# Altium PCB FSAES-22-E17 Temp Module PCB.PcbDoc (part 3 of 3)
Units mil, origin at the board's own origin, x right, y up, seen from the top; angles counter-clockwise.
Board outline 6776.17 x 2481.98 mil, 4 copper layers (Top Layer, Int 1 (GND), Int 2 (PWR), Bottom Layer), stack 53.912 mil thick; 312 components, 228 nets, 920 pads, 762 vias.
Unrouted connection lines stored in the file: 4.
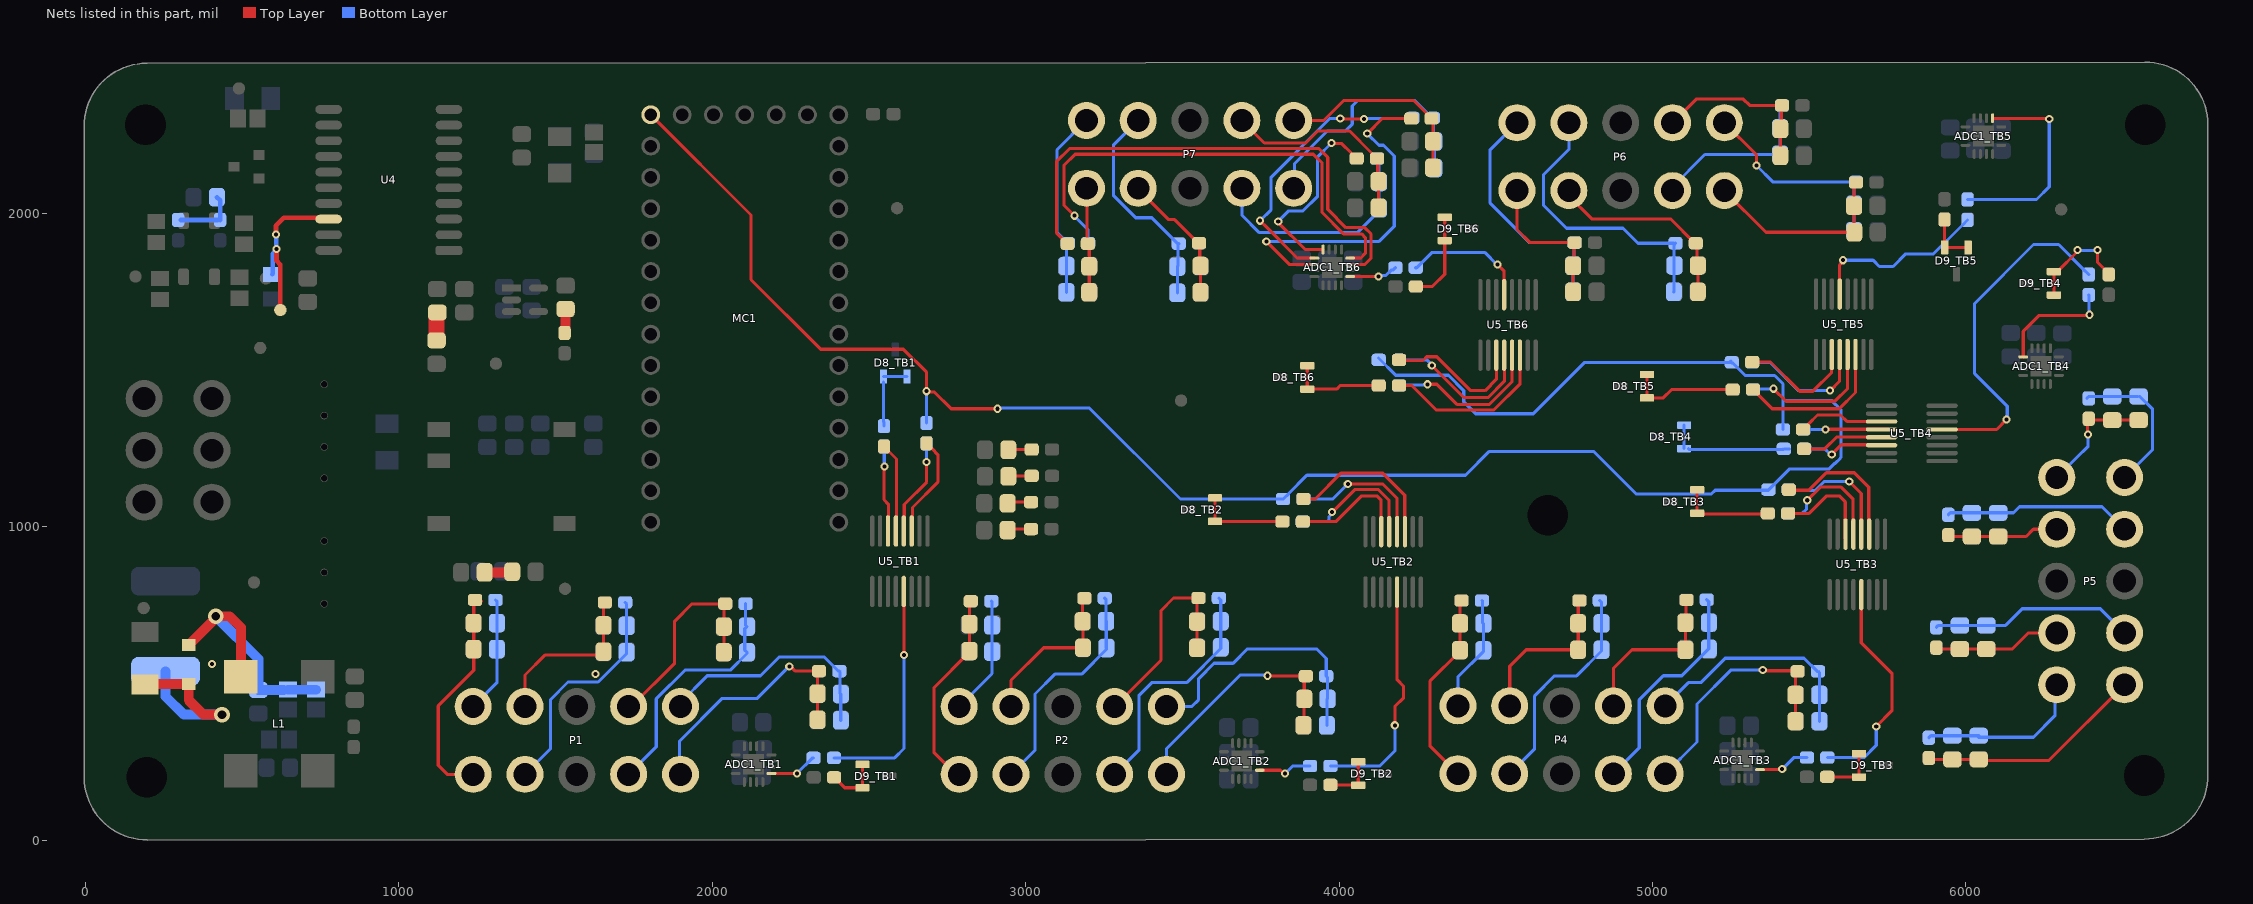
[diagram p5: the nets of this part, all layers, seen from the top]

## Via types
v1: diameter 25.98, hole 12.99, Top Layer to Bottom Layer, tented both sides, 756 vias
v2: diameter 50, hole 28, Top Layer to Bottom Layer, tented both sides, 6 vias

## Nets (pads, with @x,y where several pads share a name; then routed paths per layer and width w, separated by ;. In a path a pad name is that pad's centre, name@x,y a point inside that pad or via, vN(x,y) a via of type N, cw(c..) or ccw(c..) an arc to the next point about the centre after c; other vN are vias at no path point) (continued)
NetADC1_TB6_4: ADC1_TB6.4 R28_TB6.1 | length 630.8
  Top Layer w10: v1(3806,1974) 3806,1970 3891.99,1884.01 ADC1_TB6.4@3948.87,1884.01 ; v1(3976,2224) 3978.09,2221.91 4008.99,2221.91 4038.8,2192.11 4038.8,2191.78 4056.1,2174.47 R28_TB6.1@4056.43,2174.47
  Bottom Layer w10: v1(3806,1974) 3839.54,2007.54 3885.15,2007.54 3931.57,2053.96 3931.57,2179.57 v1(3976,2224)
NetADC1_TB6_5: ADC1_TB6.5 R34_TB6.1 | length 907.5
  Top Layer w10: v1(3748,1976) 3772,1952 3867.55,1856.46 ADC1_TB6.5@3921.31,1856.46 ; v1(4004,2302) 4005,2301 4079,2301 v1(4080,2300)
  Bottom Layer w10: v1(3748,1976) 3783.43,2011.43 3783.43,2114.88 3970.54,2302 v1(4004,2302) ; v1(4080,2300) 4082,2302 4232.58,2302 R34_TB6.1@4234.58,2304
NetADC1_TB6_6: ADC1_TB6.6 R36_TB6.1 | length 1111.9
  Top Layer w10: v1(3768,1910) 3841.23,1836.77 ADC1_TB6.6@3921.31,1836.77 ; v1(4090,2254) 4138,2302 R36_TB6.1@4230.46,2302
  Bottom Layer w10: v1(3768,1910) 4128,1910 4176,1958 4176,2182.39 4141.72,2216.66 4127.34,2216.66 v1(4090,2254)
NetADC1_TB6_15: ADC1_TB6.15 R14_TB6.1 | length 1660.2
  Top Layer w10: R14_TB6.1@3133.56,1902.47 3133.23,1902.47 3118.91,1916.79 3118.91,1917.12 3098,1938.04 3098,2164 3140,2206 3936,2206 3964,2178 3964,2012 4022,1954 4082,1954 4102,1934 4102,1856 4082.77,1836.77 ADC1_TB6.15@4035.49,1836.77
NetADC1_TB6_16: ADC1_TB6.16 R16_TB6.1 | length 1564.2
  Top Layer w10: v1(3156,1992) 3122.01,2025.99 3122.01,2152.01 3158,2188 3918,2188 3946,2160 3946,2002 4014,1934 4072,1934 4084,1922 4084,1872 4068.46,1856.46 ADC1_TB6.16@4035.49,1856.46
  Bottom Layer w10: v1(3156,1992) 3156,1990 3199.57,1946.43 R16_TB6.1@3199.57,1904.47
NetC6_1: C6.1 C11.2 C12.2 D1.K L1.1 | length 842.4
  Top Layer w31.5: D1.K@330,622.01 332.95,622.01 335.91,624.96 335.91,627.91 412.46,704.47 412.46,710.46 v2(416,714) 460,714 496.12,677.88 L1.1@496.12,521
  Bottom Layer w31.5: v2(416,714) 552.03,577.97 C6.1@552.03,478.87 C12.2@631.67,478.87 ; C12.2@646,479.5 C11.2@736,479.5
  other v1: 404,562
NetC22_1: C22.1 R5.1 R7.2 | length 194.7
  Bottom Layer w15: R7.2@304,1978.48 R5.1@422,1978.48 ; C22.1@419.87,2050.97 430,2040.84 R5.1@430,1978.48
NetD1_A: D1.A D2.2 F1.2 | length 602.1
  Top Layer w15: D2.2@190,496.93 D2.2@191.06,497.99
  Top Layer w31.5: D2.2@191.06,497.99 D1.A@330,497.99 330,446 376,400 v2(436,400)
  Bottom Layer w31.5: F1.2@256,538.6 256,458 314,400 v2(436,400)
NetD4_K: D4.K R9.2 | length 76
  Top Layer w10: D4.K@2942.8,989 2945.8,992 R9.2@3017.52,992
NetD5_K: D5.K R10.2 | length 76.4
  Top Layer w10: D5.K@2942.8,1074 2946.8,1078 R10.2@3017.52,1078
NetD6_K: D6.K R11.2 | length 75.5
  Top Layer w10: D6.K@2944.8,1160 2946.8,1162 R11.2@3019.52,1162
NetD7_K: D7.K R12.2 | length 75.1
  Top Layer w10: D7.K@2944.8,1245 2945.8,1246 R12.2@3019.52,1246
NetD8_TB1_1: D8_TB1.1 D8_TB1.2 R24_TB1.1 | length 216
  Bottom Layer w10: R24_TB1.1@2546,1334 D8_TB1.2@2546,1461.65 ; D8_TB1.2@2546.6,1479.28 D8_TB1.1@2621.4,1479.28 ; R24_TB1.1@2548,1320.48 R24_TB1.1@2548,1334
NetD8_TB2_1: D8_TB2.1 D8_TB2.2 R24_TB2.1 | length 289.9
  Top Layer w10: D8_TB2.2@3604.72,1091.4 D8_TB2.1@3604.72,1016.6 3655.4,1016.6 3656,1016 R24_TB2.1@3819.52,1016
NetD8_TB3_1: D8_TB3.1 D8_TB3.2 R24_TB3.1 | length 300.9
  Top Layer w10: D8_TB3.2@5142.72,1115.63 5142.72,1040 R24_TB3.1@5368,1040
NetD8_TB4_1: D8_TB4.1 D8_TB4.2 R24_TB4.1 | length 399.2
  Bottom Layer w10: D8_TB4.2@5100.72,1248.6 D8_TB4.1@5100.72,1323.4 ; D8_TB4.2@5114.72,1248.6 5117.31,1246 5173.5,1246 5178,1246 5417.26,1246 R24_TB4.1@5419.19,1247.94 R24_TB4.1@5437.19,1247.94
NetD8_TB5_1: D8_TB5.1 D8_TB5.2 R24_TB5.1 | length 361.9
  Top Layer w10: D8_TB5.2@4982.72,1488 4982.72,1414.62 D8_TB5.1@4982.72,1410.6 5034.6,1410.6 5061.21,1437.21 R24_TB5.1@5256.19,1437.21
NetD8_TB6_1: D8_TB6.1 D8_TB6.2 R24_TB6.1 | length 308
  Top Layer w10: D8_TB6.2@3898.72,1514 D8_TB6.1@3898.72,1438.6 3992.31,1438.6 4003.85,1450.14 R24_TB6.1@4126.55,1450.14
NetD9_TB1_1: D9_TB1.1 D9_TB1.2 R29_TB1.1 | length 179.2
  Top Layer w10: R29_TB1.1@2388.96,200 2389.29,200 2406.6,182.69 2406.6,182.36 2422.36,166.6 D9_TB1.2@2479.28,166.6 D9_TB1.1@2479.28,241.4
NetD9_TB2_1: D9_TB2.1 D9_TB2.2 R29_TB2.1 | length 162.4
  Top Layer w10: R29_TB2.1@3972.53,176 3973.23,175.3 D9_TB2.2@4060.58,175.3 ; D9_TB2.2@4061.28,175.3 D9_TB2.1@4061.28,249.4
NetD9_TB3_1: D9_TB3.1 D9_TB3.2 R29_TB3.1 | length 176.7
  Top Layer w10: R29_TB3.1@5557.66,201.3 5558.01,200.95 5658.93,200.95 D9_TB3.2@5659.28,200.6 D9_TB3.1@5659.28,275.4
NetD9_TB4_1: D9_TB4.1 D9_TB4.2 R29_TB4.1 | length 338.2
  Top Layer w10: D9_TB4.1@6280.72,1738.6 D9_TB4.2@6280.72,1813.4 6291.54,1813.4 6356,1877.86 v1(6356,1882) ; v1(6420,1882) 6420,1843.43 6456,1807.43 R29_TB4.1@6456,1804.48
  Bottom Layer w10: v1(6356,1882) 6357,1881 6419,1881 v1(6420,1882)
NetD9_TB5_1: D9_TB5.1 D9_TB5.2 R29_TB5.1 | length 163.9
  Top Layer w10: R29_TB5.1@5932,1979.52 5932.3,1979.22 5932.3,1891.02 D9_TB5.2@5932.6,1890.72 D9_TB5.1@6007.4,1890.72
NetD9_TB6_1: D9_TB6.1 D9_TB6.2 R29_TB6.1 | length 290.9
  Top Layer w10: R29_TB6.1@4244.81,1766 4298,1766 4337.28,1805.28 D9_TB6.2@4337.28,1912.6 D9_TB6.1@4337.28,1987.4
NetR2_2: R2.2 RL_1.K | length 82.9
  Top Layer w50: RL_1.K@1120.35,1594.33 1120.35,1676.01 1120.94,1676.6 R2.2@1121.32,1676.6
NetR3_2: R3.2 RL_2.K | length 73
  Top Layer w31.5: R3.2@1532,1620.96 RL_2.K@1532,1694
NetR4_2: R4.2 RL_3.K | length 89.7
  Top Layer w31.5: R4.2@1274,854 RL_3.K@1361.41,854
  Top Layer w50: RL_3.K@1361.41,854 1362,854.59 RL_3.K@1362,856
NetR6_2: R6.2 RS1.1 U4.18 | length 538.1
  Top Layer w15: v1(608,1932) 608,1960 633,1985 U4.18@774.02,1985 ; v1(610,1886) 610,1848 622,1836 RS1.1@622,1691
  Bottom Layer w15: R6.2@596,1804.9 598,1806.9 598,1871.03 610,1883.03 v1(610,1886) 609,1887 609,1931 v1(608,1932)
NetR19_TB1_2: R19_TB1.2 U5_TB1.3 | length 352.2
  Top Layer w10: U5_TB1.3@2637.8,962.46 2639.03,963.69 2639.03,1061.03 2720,1142 2720,1229.52 2701.64,1247.88 2701.31,1247.88 2684,1265.19 R19_TB1.2@2684,1265.52
NetR19_TB2_2: R19_TB2.2 U5_TB2.3 | length 521.9
  Top Layer w10: R19_TB2.2@3886.48,1088 3924,1088 4006,1170 4140,1170 4209.8,1100.2 U5_TB2.3@4209.8,964.46
NetR19_TB3_2: R19_TB3.2 U5_TB3.3 | length 466.5
  Top Layer w10: R19_TB3.2@5434.96,1116 5498.85,1116 5554.85,1172 5644,1172 5690,1126 5690,1007.55 5690.13,1007.42 5690.13,957.02 U5_TB3.3@5690,956.89
NetR19_TB4_2: R19_TB4.2 U5_TB4.3 | length 300.6
  Top Layer w10: R19_TB4.2@5480.63,1309.94 5480.96,1309.94 5498.27,1327.24 5498.27,1327.57 5526.7,1356 5600,1356 5620.2,1335.8 U5_TB4.3@5753.54,1335.8
NetR19_TB5_2: R19_TB5.2 U5_TB5.3 | length 374
  Top Layer w10: R19_TB5.2@5318.67,1525.21 5376.79,1525.21 5470,1432 5512,1432 5571.69,1491.69 5571.69,1548.36 U5_TB5.3@5572.41,1549.09
NetR19_TB6_2: R19_TB6.2 U5_TB6.3 | length 452.6
  Top Layer w10: R19_TB6.2@4191.51,1529.86 4267.86,1529.86 4280,1542 4312,1542 4420,1434 4466,1434 4502.2,1470.2 4502.2,1546.49 U5_TB6.3@4501.61,1547.09
NetR20_TB1_2: R20_TB1.2 U5_TB1.4 | length 336.7
  Top Layer w10: U5_TB1.4@2612.6,962.46 2612.6,1070.6 2684,1142 v1(2684,1206)
  Bottom Layer w10: v1(2684,1206) R20_TB1.2@2684,1269.56
NetR20_TB2_2: R20_TB2.2 U5_TB2.4 | length 463.4
  Top Layer w10: v1(4028,1136) 4140,1136 4184.6,1091.4 U5_TB2.4@4184.6,964.46
  Bottom Layer w10: R20_TB2.2@3886.48,1088 3980,1088 v1(4028,1136)
NetR20_TB3_2: R20_TB3.2 U5_TB3.4 | length 417.1
  Top Layer w10: v1(5628,1144) 5666.41,1105.59 5666.41,950.38 U5_TB3.4@5665.66,949.63
  Bottom Layer w10: R20_TB3.2@5434.96,1115 5519,1115 5548,1144 v1(5628,1144) ; R20_TB3.2@5434.96,1118 R20_TB3.2@5435.96,1117
NetR20_TB4_2: R20_TB4.2 U5_TB4.4 | length 250.5
  Top Layer w10: v1(5552,1310) 5552.6,1310.6 U5_TB4.4@5753.54,1310.6
  Bottom Layer w10: R20_TB4.2@5503.28,1310 v1(5552,1310)
NetR20_TB5_2: R20_TB5.2 U5_TB5.4 | length 413.9
  Top Layer w10: v1(5566,1434) 5566.84,1434 5597.21,1464.37 5597.21,1548.69 U5_TB5.4@5597.61,1549.09
  Bottom Layer w10: R20_TB5.2@5318,1524 5376,1524 5466,1434 v1(5566,1434)
NetR20_TB6_2: R20_TB6.2 U5_TB6.4 | length 491.9
  Top Layer w10: v1(4296,1514) 4398,1412 4476,1412 4527.4,1463.4 4527.4,1546.49 U5_TB6.4@4526.8,1547.09
  Bottom Layer w10: R20_TB6.2@4191.51,1531.86 4280.15,1531.86 4296,1516.01 v1(4296,1514)
NetR22_TB1_2: R22_TB1.2 U5_TB1.5 | length 261.1
  Top Layer w10: R22_TB1.2@2548,1255.52 2548,1255.19 2565.31,1237.88 2565.64,1237.88 2588,1215.52 U5_TB1.5@2588,1011.2
NetR22_TB2_2: R22_TB2.2 U5_TB2.5 | length 459
  Top Layer w10: v1(3978,1046) 4050,1118 4126,1118 4159.4,1084.6 U5_TB2.5@4159.4,964.46
  Bottom Layer w10: R22_TB2.2@3884.48,1016 3961.34,1016 3967.87,1022.53 3967.87,1031.55 3978,1041.67 v1(3978,1046)
NetR22_TB3_2: R22_TB3.2 U5_TB3.5 | length 400.3
  Top Layer w10: v1(5494,1084) 5536,1126 5602,1126 5640.46,1087.54 U5_TB3.5@5640.46,960.71
  Bottom Layer w10: R22_TB3.2@5432.96,1042 5478,1042 5492.01,1056.01 5492.01,1082.01 v1(5494,1084)
NetR22_TB4_2: R22_TB4.2 U5_TB4.5 | length 267.9
  Top Layer w10: R22_TB4.2@5501.67,1247.94 5549.94,1247.94 5588,1286 5752.94,1286 U5_TB4.5@5753.54,1285.4
NetR22_TB5_2: R22_TB5.2 U5_TB5.5 | length 444.6
  Top Layer w10: v1(5386,1440) 5426,1400 5582,1400 5622.8,1440.8 U5_TB5.5@5622.8,1549.09
  Bottom Layer w10: R22_TB5.2@5321.15,1437.21 5322.54,1438.61 5384.61,1438.61 v1(5386,1440)
NetR22_TB6_2: R22_TB6.2 U5_TB6.5 | length 503.5
  Top Layer w10: v1(4282,1454) 4312,1454 4376,1390 4480,1390 4552,1462 U5_TB6.5@4552,1547.09
  Bottom Layer w10: R22_TB6.2@4191.51,1450.14 4193.44,1452.07 4280.07,1452.07 v1(4282,1454)
NetR24_TB1_2: R24_TB1.2 U5_TB1.6 | length 300.6
  Top Layer w10: v1(2550,1192) 2548,1190 2548,1086 2562.2,1071.8 U5_TB1.6@2562.2,962.46
  Bottom Layer w10: R24_TB1.2@2548,1255.52 2549,1254.52 2549,1193 v1(2550,1192)
NetR24_TB2_2: R24_TB2.2 U5_TB2.6 | length 409.2
  Top Layer w10: R24_TB2.2@3884.48,1016 3990,1016 4072,1098 4120.54,1098 4134.2,1084.34 U5_TB2.6@4134.2,964.46
NetR24_TB3_2: R24_TB3.2 U5_TB3.6 | length 331.5
  Top Layer w10: R24_TB3.2@5432.96,1042 5500,1042 5556,1098 5596,1098 5615.27,1078.73 U5_TB3.6@5615.27,960.71
NetR24_TB4_2: R24_TB4.2 U5_TB4.6 | length 272.2
  Top Layer w10: v1(5572,1230) 5572,1230.41 5602.51,1260.93 5752.82,1260.93 U5_TB4.6@5753.54,1260.2
  Bottom Layer w10: R24_TB4.2@5502.15,1247.94 5550.35,1247.94 5568.28,1230 v1(5572,1230)
NetR24_TB5_2: R24_TB5.2 U5_TB5.6 | length 495
  Top Layer w10: R24_TB5.2@5321.15,1437.21 5321.48,1437.21 5338.79,1419.91 5338.79,1419.58 5382.36,1376 5596,1376 5648,1428 U5_TB5.6@5648,1549.09
NetR24_TB6_2: R24_TB6.2 U5_TB6.6 | length 543.8
  Top Layer w10: R24_TB6.2@4191.51,1450.14 4231.86,1450.14 ; 4232.66,1449.34 4310,1372 4494,1372 4577.8,1455.8 4577.8,1546.49 U5_TB6.6@4577.2,1547.09
SCK: MC1.13 R20_TB1.1 R20_TB2.1 R20_TB3.1 R20_TB4.1 R20_TB5.1 R20_TB6.1 | length 6704.6
  Top Layer w10: MC1.13@1804,2314 2124,1994 2124,1788 2346,1566 2610,1566 2684,1492 v1(2684,1432) 2687.06,1428.94 2709.47,1428.94 2762.41,1376 v1(2910,1376)
  Bottom Layer w10: R20_TB1.1@2684,1330.48 v1(2684,1432) ; v1(2910,1376) 2912,1378 3204,1378 3494,1088 R20_TB2.1@3821.52,1088 3821.85,1088 3839.16,1105.31 3839.16,1105.64 3897.52,1164 4403.6,1164 4479.6,1240 4812,1240 4948,1104 5187.88,1104 5199.88,1116 5370,1116 5438,1184 5564,1184 5582.01,1202.01 5583.59,1202.01 5599.99,1218.41 5599.99,1219.99 5602,1222 5602,1372 5572,1402 5422.46,1402 ; R20_TB6.1@4126,1537.98 4181.09,1482.89 4349.11,1482.89 4398,1434 4398,1398 4436,1360 4620,1360 4784,1524 5246.5,1524 R20_TB5.1@5250.1,1527.61 ; R20_TB5.1@5250.1,1524 5252,1522.1 R20_TB5.1@5255.27,1522.1 ; R20_TB5.1@5255.58,1522.42 5296,1482 5390,1482 5416.6,1455.4 R20_TB4.1@5416.6,1309.9
"SCLCK (ADC)_TB1": ADC1_TB1.13 R32_TB1.1 | length 155.3
  Top Layer w10: ADC1_TB1.13@2189.09,212.47 2189.17,212.39 2269.61,212.39 v1(2270,212)
  Bottom Layer w10: v1(2270,212) 2270.28,212 2320.28,262 R32_TB1.1@2323.52,262
"SCLCK (ADC)_TB2": ADC1_TB2.13 R32_TB2.1 | length 174.7
  Top Layer w10: ADC1_TB2.13@3747.09,222.47 3813.2,222.47 3823.67,212 v1(3828,212)
  Bottom Layer w10: v1(3828,212) 3852,236 R32_TB2.1@3907.52,236
"SCLCK (ADC)_TB3": ADC1_TB3.13 R32_TB3.1 | length 165.9
  Top Layer w10: ADC1_TB3.13@5343.09,224.47 5343.17,224.55 5412.55,224.55 v1(5414,226)
  Bottom Layer w10: v1(5414,226) 5451.02,263.02 R32_TB3.1@5492.98,263.02
"SCLCK (ADC)_TB4": ADC1_TB4.13 R32_TB4.1 | length 378.3
  Top Layer w10: ADC1_TB4.13@6182.91,1541.53 6182.91,1622.91 6234,1674 6392,1674 v1(6394,1676)
  Bottom Layer w10: R32_TB4.1@6392,1739.04 6393,1738.04 6393,1677 v1(6394,1676)
"SCLCK (ADC)_TB5": ADC1_TB5.13 R32_TB5.1 | length 676
  Top Layer w10: ADC1_TB5.13@6085.53,2303.09 6085.53,2301.62 6085.61,2301.54 6264.46,2301.54 v1(6266,2300)
  Bottom Layer w10: R32_TB5.1@6005.35,2043.5 6225.5,2043.5 6266,2084 v1(6266,2300)
"SCLCK (ADC)_TB6": ADC1_TB6.13 R32_TB6.1 | length 156.2
  Top Layer w10: ADC1_TB6.13@4035.49,1797.4 4035.57,1797.48 4125.48,1797.48 v1(4126,1798)
  Bottom Layer w10: v1(4126,1798) 4129.06,1801.06 4149.29,1801.06 4166.4,1818.17 4171.97,1818.17 R32_TB6.1@4179.8,1826
"SCLCK (SIGNAL ISO)_TB1": R32_TB1.2 U5_TB1.13 | length 736.8
  Top Layer w10: U5_TB1.13@2611.2,793.09 2611.6,792.68 2611.6,590.4 v1(2612,590) v1@2612.3,590.3
  Bottom Layer w10: R32_TB1.2@2389.46,262 2582,262 2612,292 v1(2612,590)
"SCLCK (SIGNAL ISO)_TB2": R32_TB2.2 U5_TB2.13 | length 752.7
  Top Layer w10: v1(4178,366) 4178,426 4206,454 4206,490 4185.2,510.8 U5_TB2.13@4185.2,791.09
  Bottom Layer w10: R32_TB2.2@3972.48,236 4130,236 4178,284 v1(4178,366)
"SCLCK (SIGNAL ISO)_TB3": R32_TB3.2 U5_TB3.13 | length 713.4
  Top Layer w10: U5_TB3.13@5666.41,783.09 5666.41,629.59 5764,532 5764,412 v1(5714,362)
  Bottom Layer w10: R32_TB3.2@5558.93,263.02 5675.02,263.02 5714,302 v1(5714,362)
"SCLCK (SIGNAL ISO)_TB4": R32_TB4.2 U5_TB4.13 | length 1115
  Top Layer w10: U5_TB4.13@5924,1310 6098,1310 v1(6130,1342)
  Bottom Layer w10: v1(6130,1342) 6132,1344 6132,1384 6028,1488 6028,1712 6216,1900 6296,1900 6374.36,1821.64 6374.69,1821.64 6392,1804.33 R32_TB4.2@6392,1804
"SCLCK (SIGNAL ISO)_TB5": R32_TB5.2 U5_TB5.13 | length 589.8
  Top Layer w10: U5_TB5.13@5597.21,1732 5597.21,1834.89 5608,1845.67 v1(5608,1850)
  Bottom Layer w10: v1(5608,1850) 5704,1850 5724,1830 5768,1830 5808,1870 5896.81,1870 5987.71,1960.9 5988.04,1960.9 6005.35,1978.2 R32_TB5.2@6005.35,1978.54
"SCLCK (SIGNAL ISO)_TB6": R32_TB6.2 U5_TB6.13 | length 401.5
  Top Layer w10: v1(4506,1836) 4526.8,1815.2 U5_TB6.13@4526.8,1740
  Bottom Layer w10: R32_TB6.2@4244.76,1826 4247.72,1826 4295.72,1874 4466,1874 4504,1836 v1(4506,1836)
TempBank1_1: C29_TB1.1 P1.2 R13_TB1.1 R14_TB1.2 | length 757.6
  Bottom Layer w10: P1.2@1898.71,426 1898.71,438.71 1984,524 2154.01,524 2214.01,584 2357.62,584 2402.82,538.8 R14_TB1.2@2405.77,538.8 2408,536.57 2408,468 R13_TB1.1@2410.23,465.77 C29_TB1.1@2410.23,381.77
TempBank1_2: C30_TB1.1 P1.1 R15_TB1.1 R16_TB1.2 | length 808
  Top Layer w10: v1(2246,554) 2250.33,554 2265.53,538.8 R16_TB1.2@2340.86,538.8 ; C30_TB1.1@2336.39,383.77 R15_TB1.1@2336.39,466.8 R16_TB1.2@2336.39,534.34
  Bottom Layer w10: P1.1@1898.71,209.46 1896,212.17 1896,316 2032,452 2144,452 v1(2246,554)
TempBank1_3: C31_TB1.1 P1.4 R17_TB1.1 R18_TB1.2 | length 674.7
  Top Layer w10: P1.4@1733.35,426 1742,426 1880,564 1880,698 1935.33,753.33 R18_TB1.2@2037.06,753.33 ; C31_TB1.1@2037.06,598.97 R17_TB1.1@2037.06,680.97 2037.06,749.54 R18_TB1.2@2041.52,754
TempBank1_4: C32_TB1.1 P1.3 R21_TB1.1 R23_TB1.2 | length 793.3
  Bottom Layer w10: P1.3@1733.35,209.46 1821.27,297.38 1821.27,450.29 1912.99,542 2057.87,542 2110.9,595.03 C32_TB1.1@2110.9,598.97 2104,605.86 2104,674.07 R21_TB1.1@2110.9,680.97 2106.43,685.43 R23_TB1.2@2106.43,754
TempBank1_5: C33_TB1.1 P1.8 R25_TB1.1 R26_TB1.2 | length 540.8
  Top Layer w10: P1.8@1402.65,426 1402.65,526.65 1466,590 1642.14,590 C33_TB1.1@1653.1,600.97 R25_TB1.1@1653.1,684.97 1653.1,753.59 R26_TB1.2@1657.52,758
TempBank1_6: C34_TB1.1 P1.7 R27_TB1.1 R28_TB1.2 | length 740.8
  Bottom Layer w10: P1.7@1402.65,209.46 1484,290.82 1484,448 1540.01,504.01 1635.87,504.01 1726.9,595.03 C34_TB1.1@1726.9,598.97 R27_TB1.1@1726.9,682.97 1726.9,753.59 R28_TB1.2@1722.48,758
  other v1: 1628,530
TempBank1_7: C35_TB1.1 P1.10 R30_TB1.1 R34_TB1.2 | length 373.1
  Bottom Layer w10: P1.10@1237.29,426 1312.9,501.6 C35_TB1.1@1312.9,608.97 R30_TB1.1@1312.9,692 1312.9,761.59 R34_TB1.2@1308.48,766
TempBank1_8: C36_TB1.1 P1.9 R35_TB1.1 R36_TB1.2 | length 707.3
  Top Layer w10: P1.9@1237.29,209.46 1154.54,209.46 1126,238 1126,428 1239.1,541.1 C36_TB1.1@1239.1,608.97 R35_TB1.1@1239.1,692 1239.1,761.59 R36_TB1.2@1243.52,766 R36_TB1.2@1239.1,766 ; R36_TB1.2@1261.31,759.79 R36_TB1.2@1263.52,762
TempBank2_1: C29_TB2.1 P2.2 R13_TB2.1 R14_TB2.2 | length 853.3
  Bottom Layer w10: P2.2@3449.42,426 3530,426 3552,448 3552,514.77 3601.23,564 3662,564 3708,610 3928,610 3959.01,578.99 R14_TB2.2@3959.01,523.03 3963.04,519 R13_TB2.1@3963.04,450 3962.04,449 3962.04,367 C29_TB2.1@3961.04,366
TempBank2_2: C30_TB2.1 P2.1 R15_TB2.1 R16_TB2.2 | length 785.3
  Top Layer w10: v1(3772,524) 3772.48,523.52 3893.61,523.52 R16_TB2.2@3894.1,523.03 3889.2,518.14 R15_TB2.1@3889.2,450 3887.71,448.51 3887.71,367.49 C30_TB2.1@3886.22,366
  Bottom Layer w10: P2.1@3449.42,209.46 3449.42,291.42 3684,526 3770,526 v1(3772,524)
TempBank2_3: C31_TB2.1 P2.4 R17_TB2.1 R18_TB2.2 | length 664.2
  Top Layer w10: P2.4@3284.06,426 3432,573.94 3432,732 3472,772 R18_TB2.2@3551.52,772 3547.06,767.54 R17_TB2.1@3547.06,696.97 C31_TB2.1@3547.06,612.97
TempBank2_4: C32_TB2.1 P2.3 R21_TB2.1 R23_TB2.2 | length 770.9
  Bottom Layer w10: P2.3@3284.06,209.46 3362,287.4 3362,462 3402,502 3513.77,502 3622.8,611.03 C32_TB2.1@3622.8,614.97 R21_TB2.1@3622.8,697.94 3622.8,765.68 R23_TB2.2@3616.48,772
TempBank2_5: C33_TB2.1 P2.8 R25_TB2.1 R26_TB2.2 | length 517
  Top Layer w10: P2.8@2953.35,426 2953.35,509.35 3057.43,613.43 C33_TB2.1@3183.1,613.43 3182.55,613.99 3182.55,696.88 R25_TB2.1@3181.99,697.43 3181.99,765.91 R26_TB2.2@3187.51,771.43
TempBank2_6: C34_TB2.1 P2.7 R27_TB2.1 R28_TB2.2 | length 740.4
  Bottom Layer w10: P2.7@2953.35,209.46 3030,286.11 3030,466 3093.34,529.34 3178.75,529.34 3257.87,608.46 C34_TB2.1@3257.87,612.4 3257.38,612.89 3257.38,697.91 R27_TB2.1@3256.89,698.4 3256.89,767.02 R28_TB2.2@3252.47,771.43
TempBank2_7: C35_TB2.1 P2.10 R30_TB2.1 R34_TB2.2 | length 380.3
  Bottom Layer w10: P2.10@2788,426 2892.94,530.94 C35_TB2.1@2892.94,600.97 R30_TB2.1@2892.94,684.97 2892.94,760.02 R34_TB2.2@2890.96,762
TempBank2_8: C36_TB2.1 P2.9 R35_TB2.1 R36_TB2.2 | length 640.9
  Top Layer w10: P2.9@2788,209.46 2776.54,209.46 2708,278 2708,486.45 2820.58,599.03 C36_TB2.1@2820.58,602.97 R35_TB2.1@2820.58,688.97 2820.58,757.54 R36_TB2.2@2825.04,762
TempBank3_1: C29_TB3.1 P4.2 R13_TB3.1 R14_TB3.2 | length 729
  Bottom Layer w10: P4.2@5040.71,428 5114.71,502 5154,502 5232,580 5483.53,580 5525.53,538 R14_TB3.2@5528.48,538 5532.94,533.54 R13_TB3.1@5532.94,462.97 C29_TB3.1@5532.94,378.97
TempBank3_2: C30_TB3.1 P4.1 R15_TB3.1 R16_TB3.2 | length 793.6
  Top Layer w10: v1(5352,542) 5354,540 5461.04,540 R16_TB3.2@5463.04,538 5456.72,531.68 R15_TB3.1@5456.72,462.97 C30_TB3.1@5456.72,378.97
  Bottom Layer w10: P4.1@5040.71,211.46 5142,312.76 5142,434 5250,542 v1(5352,542)
TempBank3_3: C31_TB3.1 P4.4 R17_TB3.1 R18_TB3.2 | length 534.4
  Top Layer w10: P4.4@4875.35,428 4875.35,547.35 4934.97,606.97 C31_TB3.1@5105.06,606.97 R17_TB3.1@5105.06,692.97 5107.05,694.96 5107.05,764.01 R18_TB3.2@5109.04,766
TempBank3_4: C32_TB3.1 P4.3 R21_TB3.1 R23_TB3.2 | length 718.9
  Bottom Layer w10: P4.3@4875.35,211.46 4958,294.11 4958,447.01 5034.99,524.01 5093.81,524.01 C32_TB3.1@5179.74,609.94 R21_TB3.1@5179.74,693.94 5179.74,760.17 R23_TB3.2@5172.94,766.97
TempBank3_5: C33_TB3.1 P4.8 R25_TB3.1 R26_TB3.2 | length 525.4
  Top Layer w10: P4.8@4544.65,428 4544.65,554.65 4596.97,606.97 C33_TB3.1@4763.1,606.97 R25_TB3.1@4763.1,690.97 4763.1,760.07 R26_TB3.2@4767.04,764
TempBank3_6: C34_TB3.1 P4.7 R27_TB3.1 R28_TB3.2 | length 717.2
  Bottom Layer w10: P4.7@4544.65,211.46 4624,290.82 4624,460 4687.63,523.63 4757.97,523.63 4837.38,603.03 C34_TB3.1@4837.38,606.97 R27_TB3.1@4837.38,690.97 4837.38,758.62 R28_TB3.2@4832,764
TempBank3_7: C35_TB3.1 P4.10 R30_TB3.1 R34_TB3.2 | length 371.4
  Bottom Layer w10: P4.10@4379.29,428 4379.29,519.9 4460.41,601.03 C35_TB3.1@4460.41,604.97 R30_TB3.1@4460.41,690.97 4458.21,693.18 4458.21,761.79 R34_TB3.2@4456,764
TempBank3_8: C36_TB3.1 P4.9 R35_TB3.1 R36_TB3.2 | length 631.4